# KiCad board motherboard.kicad_pcb
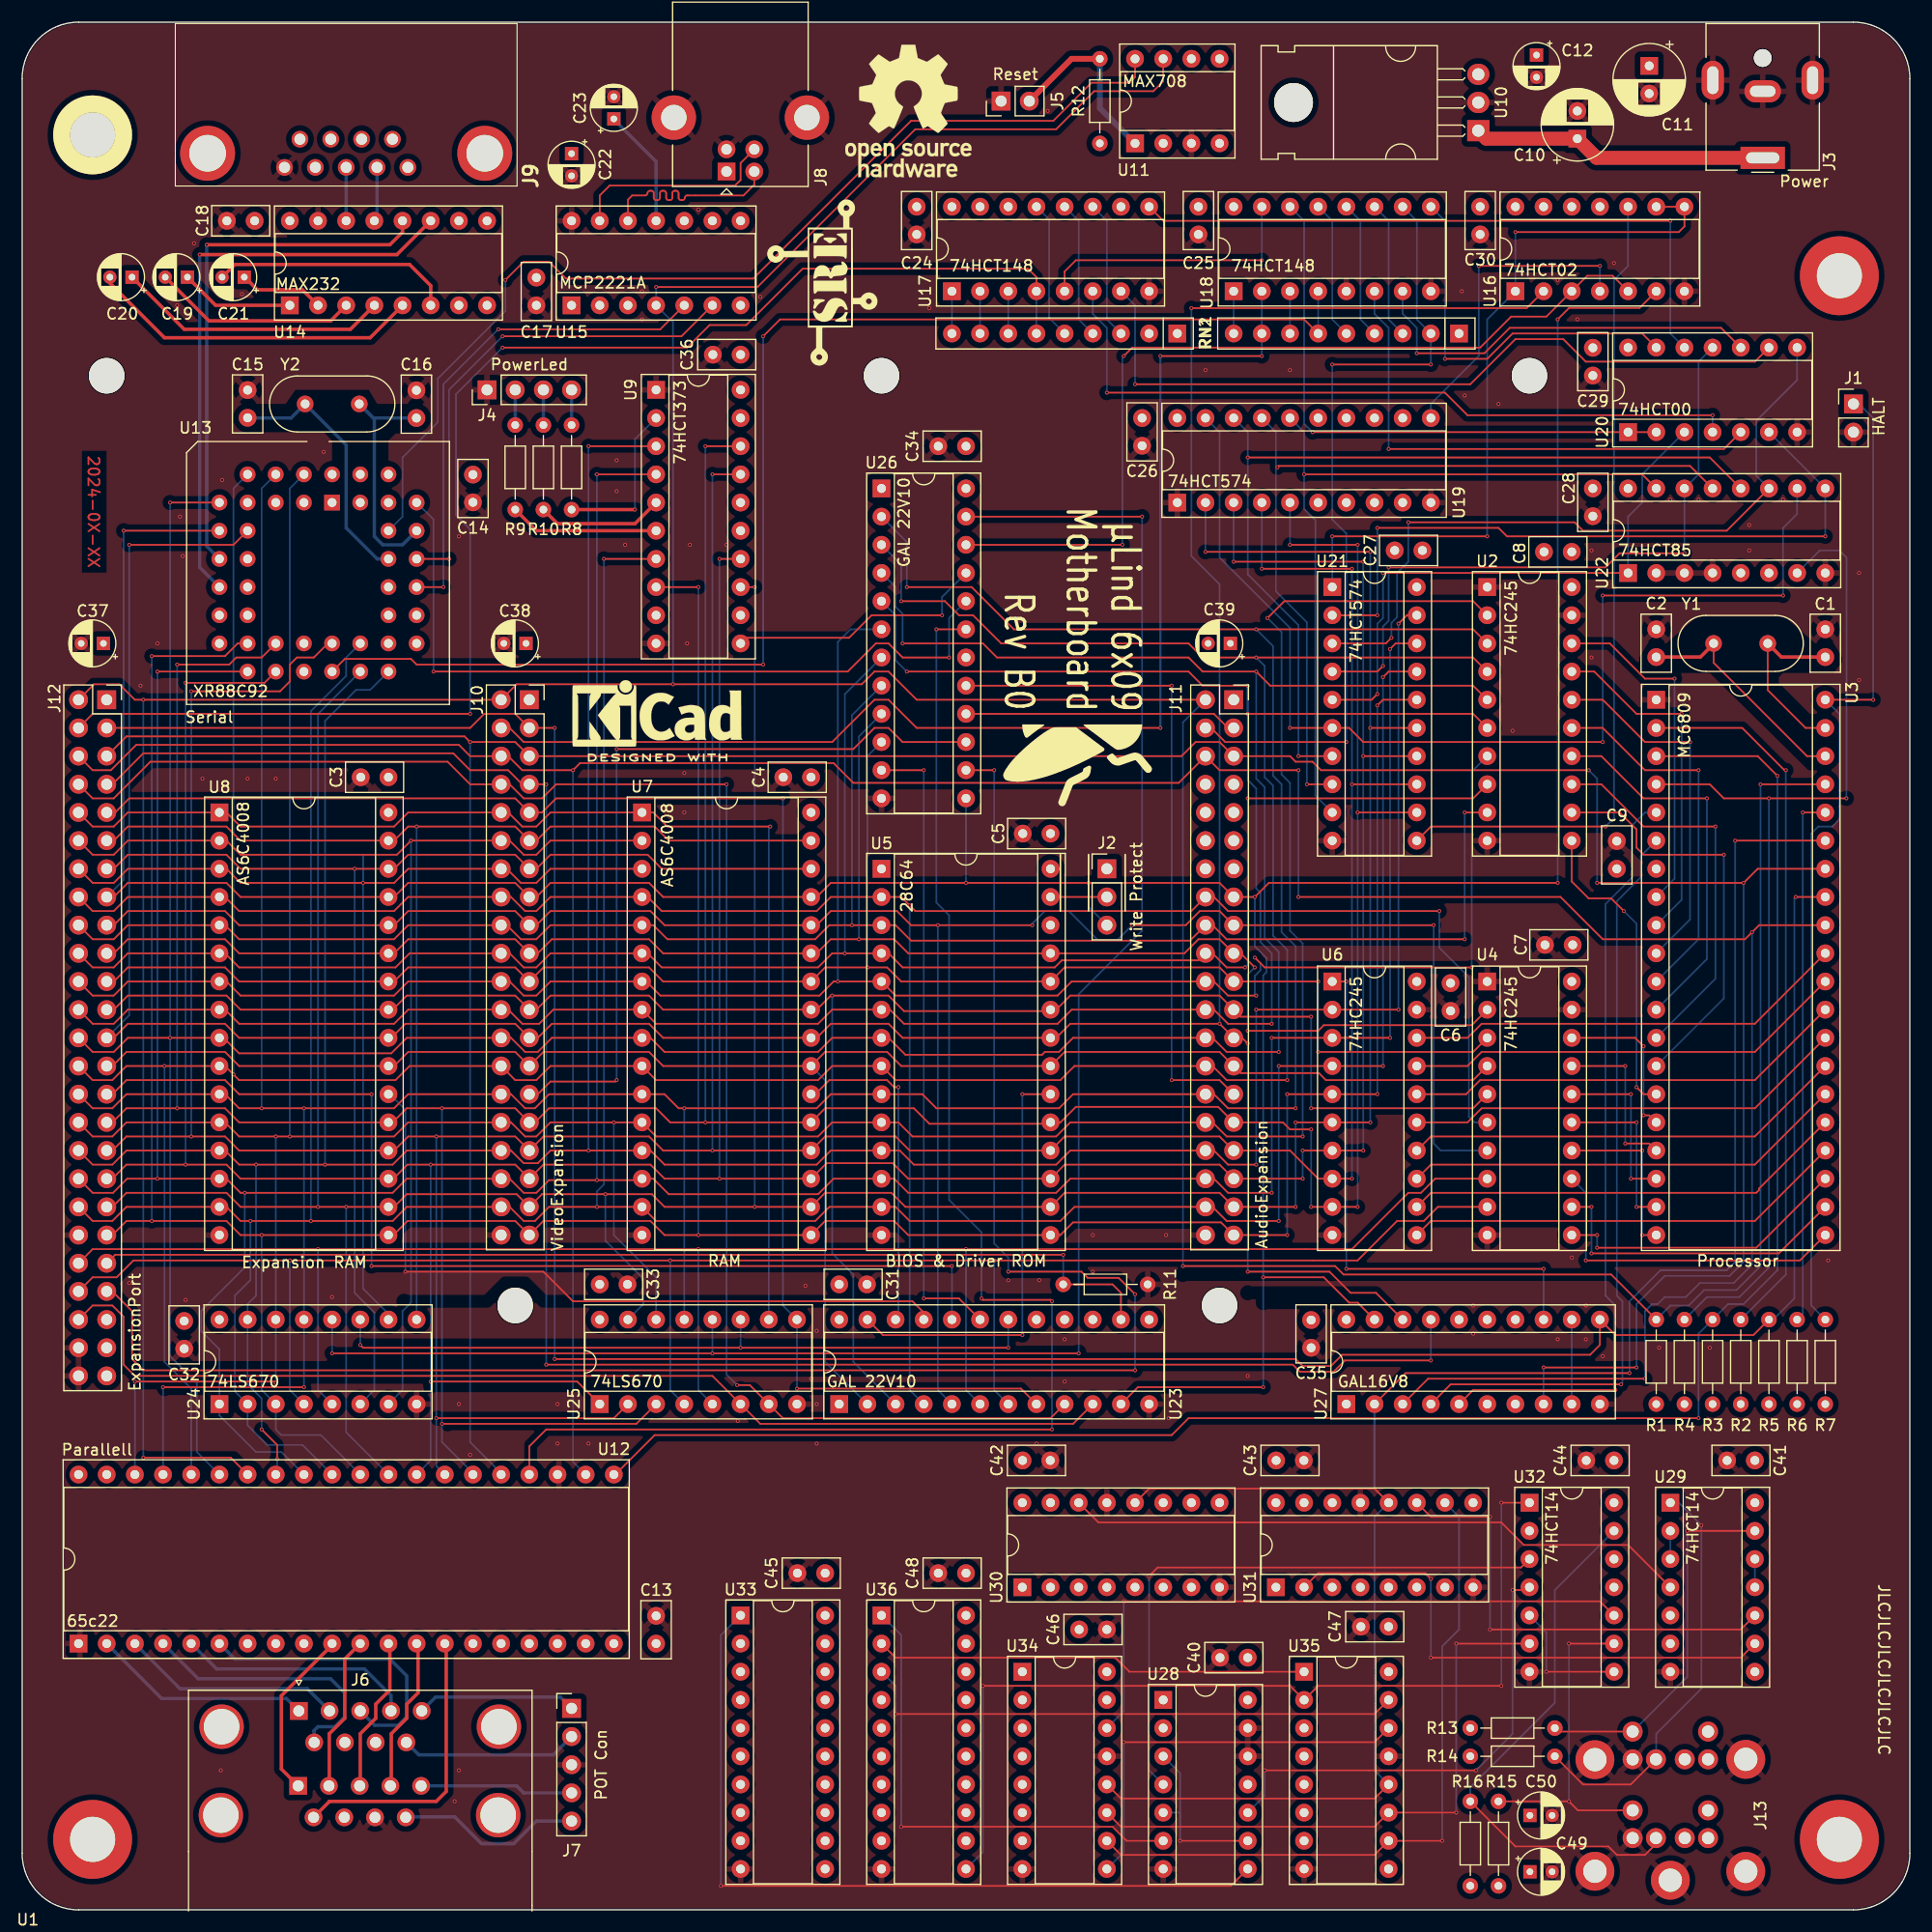
[diagram p0: board, top side]
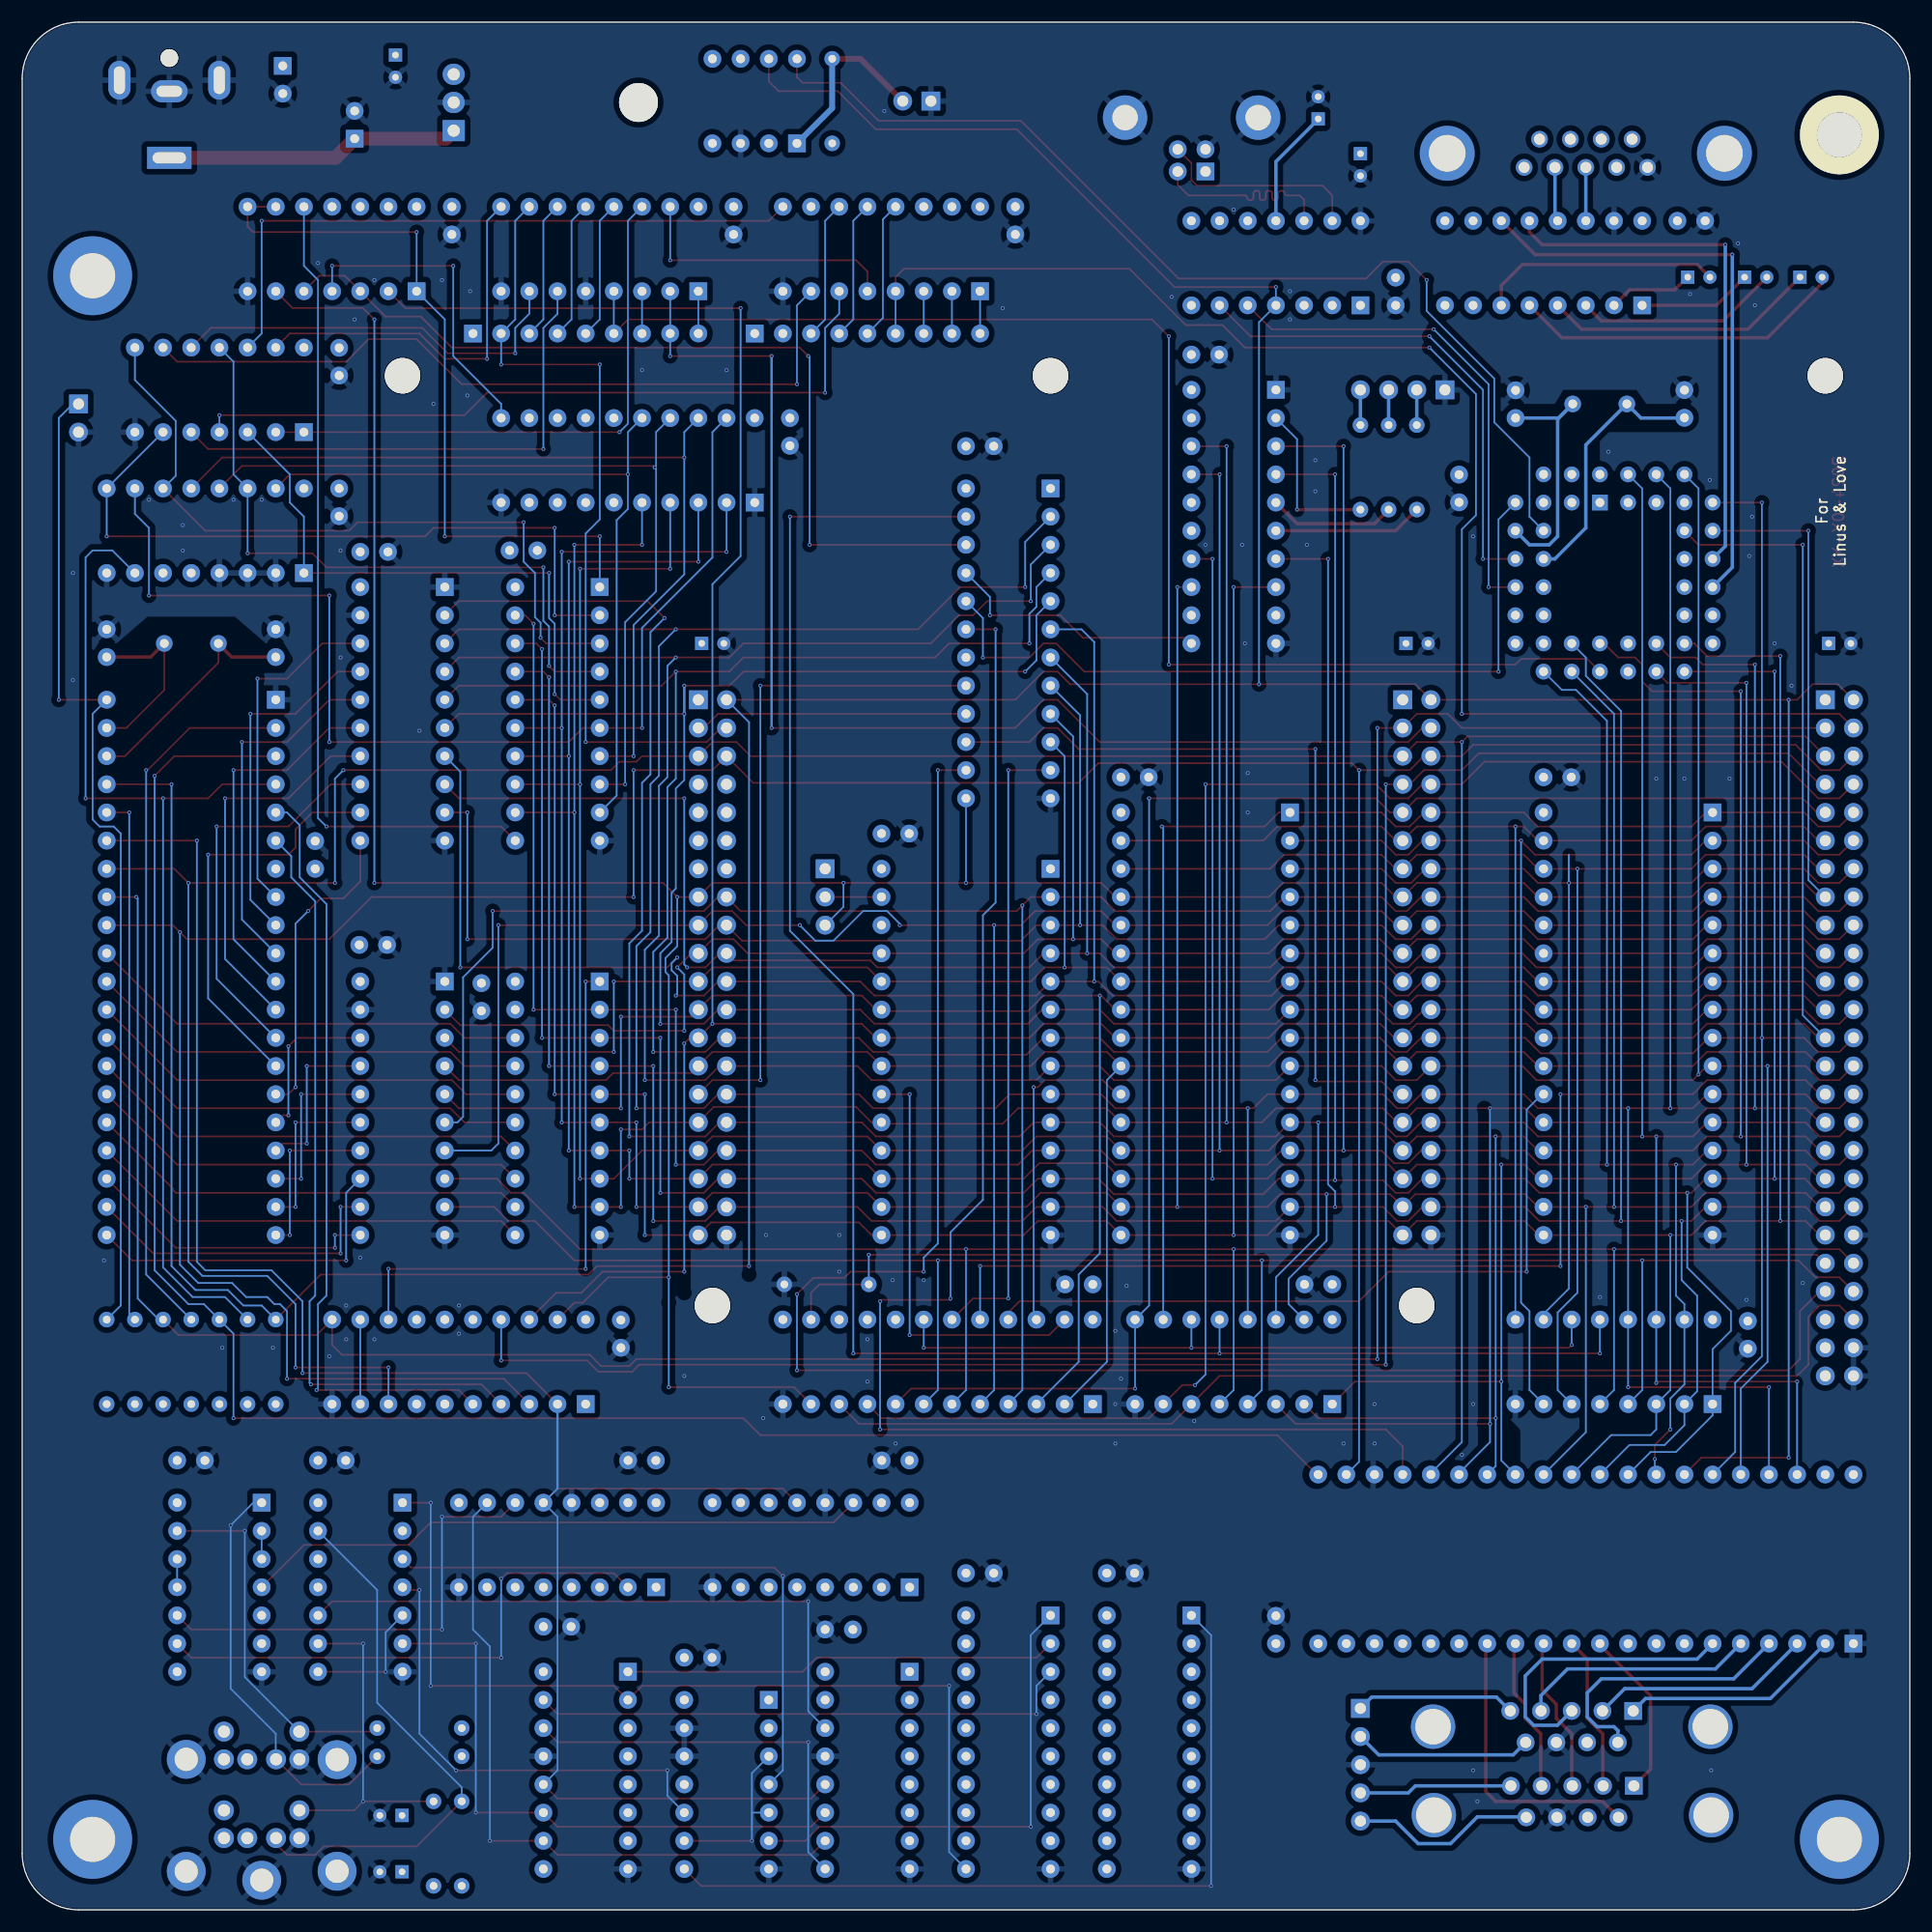
[diagram p1: board, bottom side, seen from below]

Outline 170.18 x 170.18 mm; copper layers: Top, In1.Cu (plane), In2.Cu (plane), Bottom. Coordinates in mm from the lower left corner of the outline.
Stack: Top 0.035mm / dielectric 0.1mm FR4 er 4.5 / In1.Cu 0.035mm / dielectric 1.24mm FR4 er 4.5 / In2.Cu 0.035mm / dielectric 0.1mm FR4 er 4.5 / Bottom 0.035mm

## Placement (name value [footprint] x y rotation side)
C1  22pF  [C_Disc_D5.0mm_W2.5mm_P2.50mm]  162.56 112.94 90 top
C2  22pF  [C_Disc_D5.0mm_W2.5mm_P2.50mm]  147.32 112.94 90 top
C3  100n  [C_Disc_D5.0mm_W2.5mm_P2.50mm]  33.02 102.11 180 top
C4  100n  [C_Disc_D5.0mm_W2.5mm_P2.50mm]  71.12 102.11 180 top
C5  100n  [C_Disc_D5.0mm_W2.5mm_P2.50mm]  92.71 97.03 180 top
C6  100n  [C_Disc_D5.0mm_W2.5mm_P2.50mm]  128.78 83.55 270 top
C7  100n  [C_Disc_D5.0mm_W2.5mm_P2.50mm]  139.79 87 180 top
C8  100n  [C_Disc_D5.0mm_W2.5mm_P2.50mm]  139.7 122.43 180 top
C9  100n  [C_Disc_D5.0mm_W2.5mm_P2.50mm]  143.76 93.85 90 top
C10  33µF  [CP_Radial_D6.3mm_P2.50mm]  140.21 159.68 90 top
C11  100µF  [CP_Radial_D6.3mm_P2.50mm]  146.69 166.24 270 top
C12  10µF  [CP_Radial_D4.0mm_P2.00mm]  136.53 167.22 270 top
C13  100n  [C_Disc_D5.0mm_W2.5mm_P2.50mm]  57.15 24 90 top
C14  100n  [C_Disc_D5.0mm_W2.5mm_P2.50mm]  40.64 129.39 270 top
C15  43pF  [C_Disc_D5.0mm_W2.5mm_P2.50mm]  20.32 134.51 90 top
C16  43pF  [C_Disc_D5.0mm_W2.5mm_P2.50mm]  35.54 134.49 90 top
C17  100n  [C_Disc_D5.0mm_W2.5mm_P2.50mm]  46.35 147.15 270 top
C18  100n  [C_Disc_D5.0mm_W2.5mm_P2.50mm]  20.96 152.27 180 top
C19  1u  [CP_Radial_D4.0mm_P2.00mm]  14.9 147.19 180 top
C20  1u  [CP_Radial_D4.0mm_P2.00mm]  9.91 147.19 180 top
C21  1u  [CP_Radial_D4.0mm_P2.00mm]  20.02 147.19 180 top
C22  1u  [CP_Radial_D4.0mm_P2.00mm]  49.53 158.33 270 top
C23  1u  [CP_Radial_D4.0mm_P2.00mm]  53.34 161.46 90 top
C24  100n  [C_Disc_D5.0mm_W2.5mm_P2.50mm]  80.64 153.54 270 top
C25  100n  [C_Disc_D5.0mm_W2.5mm_P2.50mm]  106.05 153.54 270 top
C26  100n  [C_Disc_D5.0mm_W2.5mm_P2.50mm]  100.96 134.49 270 top
C27  100n  [C_Disc_D5.0mm_W2.5mm_P2.50mm]  126.24 122.56 180 top
C28  100n  [C_Disc_D5.0mm_W2.5mm_P2.50mm]  141.61 128.14 270 top
C29  100n  [C_Disc_D5.0mm_W2.5mm_P2.50mm]  141.61 140.82 270 top
C30  100n  [C_Disc_D5.0mm_W2.5mm_P2.50mm]  131.45 153.54 270 top
C31  100n  [C_Disc_D5.0mm_W2.5mm_P2.50mm]  73.66 56.39 0 top
C32  100n  [C_Disc_D5.0mm_W2.5mm_P2.50mm]  14.61 53.09 270 top
C33  100n  [C_Disc_D5.0mm_W2.5mm_P2.50mm]  52.07 56.39 0 top
C34  100n  [C_Disc_D5.0mm_W2.5mm_P2.50mm]  85.09 131.95 180 top
C35  100n  [C_Disc_D5.0mm_W2.5mm_P2.50mm]  116.2 53.17 270 top
C36  100n  [C_Disc_D5.0mm_W2.5mm_P2.50mm]  64.77 140.21 180 top
C37  10u  [CP_Radial_D4.0mm_P2.00mm]  7.32 114.17 180 top
C38  10u  [CP_Radial_D4.0mm_P2.00mm]  45.42 114.17 180 top
C39  10u  [CP_Radial_D4.0mm_P2.00mm]  108.92 114.17 180 top
C40  100n  [C_Disc_D5.0mm_W2.5mm_P2.50mm]  110.49 22.73 180 top
C41  100n  [C_Disc_D5.0mm_W2.5mm_P2.50mm]  156.21 40.51 180 top
C42  100n  [C_Disc_D5.0mm_W2.5mm_P2.50mm]  90.19 40.51 0 top
C43  100n  [C_Disc_D5.0mm_W2.5mm_P2.50mm]  113.05 40.51 0 top
C44  100n  [C_Disc_D5.0mm_W2.5mm_P2.50mm]  143.51 40.51 180 top
C45  100n  [C_Disc_D5.0mm_W2.5mm_P2.50mm]  72.39 30.35 180 top
C46  100n  [C_Disc_D5.0mm_W2.5mm_P2.50mm]  95.29 25.27 0 top
C47  100n  [C_Disc_D5.0mm_W2.5mm_P2.50mm]  123.19 25.53 180 top
C48  100n  [C_Disc_D5.0mm_W2.5mm_P2.50mm]  85.09 30.35 180 top
C49  10u  [CP_Radial_D4.0mm_P2.00mm]  135.93 3.43 0 top
C50  10u  [CP_Radial_D4.0mm_P2.00mm]  135.93 8.51 0 top
G1  LOGO  [sre]  72.14 146.69 90 top
G2  -  [OSHW-Logo_11.4x12mm_SilkScreen]  79.88 162.18 0 top
G3  -  [KiCad-Logo2_6mm_SilkScreen]  57.27 107.88 0 top
G***  LOGO  [fly_E_14mm]  95 103.25 270 top
H1  MountingHole  [MountingHole_3.2mm_M3_ISO7380]  7.62 138.3 0 top
H2  MountingHole  [MountingHole_3.2mm_M3_ISO7380]  107.95 54.48 0 top
H3  MountingHole  [MountingHole_3.2mm_M3_ISO7380]  44.45 54.48 0 top
H4  MountingHole  [MountingHole_3.2mm_M3_ISO7380]  77.47 138.3 0 top
H5  MountingHole  [MountingHole_3.2mm_M3_ISO7380]  135.89 138.3 0 top
J1  HALT  [PinHeader_1x02_P2.54mm_Vertical]  165.1 135.76 0 top
J2  Write Protect  [PinHeader_1x03_P2.54mm_Vertical]  97.79 93.85 0 top
J3  Power  [BarrelJack_CUI_PJ-063AH_Horizontal]  156.92 157.95 180 top
J4  PowerLed  [PinHeader_1x04_P2.54mm_Vertical]  41.91 137.03 90 top
J5  Reset  [PinHeader_1x02_P2.54mm_Vertical]  88.25 163.07 90 top
J6  ~  [DSUB-9-Double_NorComp]  24.94 17.93 0 top
J7  POT Con  [PinHeader_1x05_P2.54mm_Vertical]  49.53 18.16 0 top
J8  Console  [USB_B_Lumberg_2411_02_Horizontal]  63.5 156.72 90 top
J9  DE9_Plug  [23018431]  34.77 157.09 180 top
J10  VideoExpansion  [PinSocket_2x20_P2.54mm_Vertical]  45.72 109.09 0 top
J11  AudioExpansion  [PinSocket_2x20_P2.54mm_Vertical]  109.22 109.09 0 top
J12  ExpansionPort  [PinSocket_2x25_P2.54mm_Vertical]  7.62 109.09 0 top
J13  ~  [2xPS2-Mini-Din]  148.59 -2.03 0 top
R1  4k7  [R_Axial_DIN0204_L3.6mm_D1.6mm_P7.62mm_Horizontal]  147.32 53.21 270 top
R2  4k7  [R_Axial_DIN0204_L3.6mm_D1.6mm_P7.62mm_Horizontal]  154.94 53.21 270 top
R3  4k7  [R_Axial_DIN0204_L3.6mm_D1.6mm_P7.62mm_Horizontal]  152.4 53.21 270 top
R4  4k7  [R_Axial_DIN0204_L3.6mm_D1.6mm_P7.62mm_Horizontal]  149.86 53.21 270 top
R5  4k7  [R_Axial_DIN0204_L3.6mm_D1.6mm_P7.62mm_Horizontal]  157.48 53.21 270 top
R6  4k7  [R_Axial_DIN0204_L3.6mm_D1.6mm_P7.62mm_Horizontal]  160.02 53.21 270 top
R7  4k7  [R_Axial_DIN0204_L3.6mm_D1.6mm_P7.62mm_Horizontal]  162.56 53.21 270 top
R8  1k  [R_Axial_DIN0204_L3.6mm_D1.6mm_P7.62mm_Horizontal]  49.53 133.86 270 top
R9  1k  [R_Axial_DIN0204_L3.6mm_D1.6mm_P7.62mm_Horizontal]  44.45 133.86 270 top
R10  1k  [R_Axial_DIN0204_L3.6mm_D1.6mm_P7.62mm_Horizontal]  46.99 133.86 270 top
R11  4k7  [R_Axial_DIN0204_L3.6mm_D1.6mm_P7.62mm_Horizontal]  93.85 56.39 0 top
R12  4k7  [R_Axial_DIN0204_L3.6mm_D1.6mm_P7.62mm_Horizontal]  97.16 159.26 90 top
R13  10k  [R_Axial_DIN0204_L3.6mm_D1.6mm_P7.62mm_Horizontal]  130.56 16.38 0 top
R14  10k  [R_Axial_DIN0204_L3.6mm_D1.6mm_P7.62mm_Horizontal]  130.56 13.84 0 top
R15  10k  [R_Axial_DIN0204_L3.6mm_D1.6mm_P7.62mm_Horizontal]  133.1 2.16 90 top
R16  10k  [R_Axial_DIN0204_L3.6mm_D1.6mm_P7.62mm_Horizontal]  130.56 2.16 90 top
RN1  R_Network08  [R_Array_SIP9]  104.14 142.11 180 top
RN2  R_Network08  [R_Array_SIP9]  129.54 142.11 180 top
U1  ~  [mITX]  0 0 0 top
U2  74HC245  [DIP-20_W7.62mm_Socket]  132.08 119.25 0 top
U3  MC6809  [DIP-40_W15.24mm_Socket]  147.32 109.09 0 top
U4  74HC245  [DIP-20_W7.62mm_Socket]  132.08 83.69 0 top
U5  28C64  [DIP-28_W15.24mm_Socket]  77.47 93.85 0 top
U6  74HC245  [DIP-20_W7.62mm_Socket]  118.11 83.69 0 top
U7  AS6C4008  [DIP-32_W15.24mm_Socket]  55.88 98.93 0 top
U8  AS6C4008  [DIP-32_W15.24mm_Socket]  17.78 98.93 0 top
U9  74HCT373  [DIP-20_W7.62mm_Socket]  57.15 137.03 0 top
U10  BA05CCOT  [TO-220-3_Horizontal_TabDown]  131.28 160.4 90 top
U11  MAX708  [DIP-8_W7.62mm_Socket]  100.33 159.26 90 top
U12  65c22  [DIP-40_W15.24mm_Socket]  5.08 24 90 top
U13  XR88C92  [PLCC-44_THT-Socket]  27.94 126.87 0 top
U14  MAX232  [DIP-16_W7.62mm_Socket]  24.13 144.65 90 top
U15  MCP2221A  [DIP-14_W7.62mm_Socket]  49.53 144.65 90 top
U16  74HCT02  [DIP-14_W7.62mm_Socket]  134.62 145.92 90 top
U17  74HCT148  [DIP-16_W7.62mm_Socket]  83.82 145.92 90 top
U18  74HCT148  [DIP-16_W7.62mm_Socket]  109.22 145.92 90 top
U19  74HCT574  [DIP-20_W7.62mm_Socket]  104.14 126.87 90 top
U20  74HCT00  [DIP-14_W7.62mm_Socket]  144.78 133.22 90 top
U21  74HCT574  [DIP-20_W7.62mm_Socket]  118.11 119.25 0 top
U22  74HCT85  [DIP-16_W7.62mm_Socket]  144.78 120.52 90 top
U23  GAL 22V10  [DIP-24_W7.62mm_Socket]  73.66 45.59 90 top
U24  74LS670  [DIP-16_W7.62mm_Socket]  17.78 45.59 90 top
U25  74LS670  [DIP-16_W7.62mm_Socket]  52.07 45.59 90 top
U26  GAL 22V10  [DIP-24_W7.62mm_Socket]  77.47 128.14 0 top
U27  GAL16V8  [DIP-20_W7.62mm_Socket]  119.38 45.59 90 top
U28  74HCT32  [DIP-14_W7.62mm_Socket]  102.87 18.92 0 top
U29  74HCT14  [DIP-14_W7.62mm_Socket]  148.59 36.7 0 top
U30  74HCT595  [DIP-16_W7.62mm_Socket]  90.17 29.08 90 top
U31  74HCT595  [DIP-16_W7.62mm_Socket]  113.03 29.08 90 top
U32  74HCT14  [DIP-14_W7.62mm_Socket]  135.89 36.7 0 top
U33  74HCT573  [DIP-20_W7.62mm_Socket]  64.77 26.54 0 top
U34  74HCT595  [DIP-16_W7.62mm_Socket]  90.17 21.46 0 top
U35  74HCT595  [DIP-16_W7.62mm_Socket]  115.57 21.46 0 top
U36  74HCT573  [DIP-20_W7.62mm_Socket]  77.47 26.54 0 top
Y1  12MHz  [Crystal_HC49-U_Vertical]  152.49 114.17 0 top
Y2  3.3864  [Crystal_HC49-U_Vertical]  30.39 135.76 180 top

## Library data of the parts
C1-C9 C13-C18 C24-C36 C40-C48 = -: ki_fp_filters: C_*
C10-C12 = -: Description: Polarized capacitor; ki_fp_filters: CP_*
C19-C23 C37-C39 C49 C50 = -: ki_fp_filters: CP_*
H1-H5 = -: ki_fp_filters: MountingHole*
J1 = -: Description: Generic connector, single row, 01x02, script generated (kicad-library-utils/schlib/autogen/connector/); ki_fp_filters: Connector*:*_1x??_*
J2 = -: Description: Generic connector, single row, 01x03, script generated (kicad-library-utils/schlib/autogen/connector/); ki_fp_filters: Connector*:*_1x??_*
J3 = -: Description: DC Barrel Jack with a mounting pin; ki_fp_filters: BarrelJack*
J4 = -: Description: RGB LED, cathode/red/green/blue; ki_fp_filters: LED* LED_SMD:* LED_THT:*
J5 = -: Description: Push button switch, generic, two pins
J7 = -: Description: Generic connector, single row, 01x05, script generated; ki_fp_filters: Connector*:*_1x??_*
J8 = -: ki_fp_filters: USB*
J9 = -: Description: 9-pin male plug pin D-SUB connector; ki_fp_filters: DSUB*Male*
J10 J11 = -: ki_fp_filters: Connector*:*_2x??_*
J12 = -: Description: Generic connector, double row, 02x25, odd/even pin numbering scheme (row 1 odd numbers, row 2 even numbers), script generated (kicad-library-utils/schlib/autogen/connector/); ki_fp_filters: Connector*:*_2x??_*
R1-R12 = -: Description: Resistor; ki_fp_filters: R_*
R13-R16 = -: ki_fp_filters: R_*
RN1 RN2 = -: Datasheet: http://www.vishay.com/docs/31509/csc.pdf; Description: 8 resistor network, star topology, bussed resistors, small symbol; ki_fp_filters: R?Array?SIP*
U2 U4 U6 = -: Datasheet: http://www.ti.com/lit/gpn/sn74HC245; Description: Octal BUS Transceivers, 3-State outputs; ki_fp_filters: DIP?20*
U3 = -: Datasheet: http://pdf.datasheetcatalog.com/datasheet/motorola/MC68B09S.pdf; ki_fp_filters: DIP*W15.24mm*
U5 = -: Datasheet: http://ww1.microchip.com/downloads/en/DeviceDoc/11107M.pdf; ki_fp_filters: DIP*W15.24mm*
U7 U8 = -: Datasheet: https://www.alliancememory.com/wp-content/uploads/pdf/AS6C4008.pdf; ki_fp_filters: DIP*W15.24mm*
U9 = -: Datasheet: http://www.ti.com/lit/gpn/sn74LS373; Description: 8-bit Latch, 3-state outputs; ki_fp_filters: DIP?20* SOIC?20* SO?20* SSOP?20* TSSOP?20*
U12 = -: Datasheet: http://www.6502.org/documents/datasheets/mos/mos_6522_preliminary_nov_1977.pdf; ki_fp_filters: DIP*W15.24mm*
U14 = -: Datasheet: http://www.ti.com/lit/ds/symlink/max232.pdf; ki_fp_filters: SOIC*P1.27mm* DIP*W7.62mm* TSSOP*4.4x5mm*P0.65mm*
U15 = -: Datasheet: http://ww1.microchip.com/downloads/en/DeviceDoc/20005565B.pdf; ki_fp_filters: DIP*W7.62mm*
U16 = -: Datasheet: http://www.ti.com/lit/gpn/sn74hct02; ki_fp_filters: SO14* DIP*W7.62mm*
U17 U18 = -: Datasheet: http://www.ti.com/lit/gpn/sn74LS148; ki_fp_filters: DIP?16*
U19 U21 = -: Datasheet: http://www.ti.com/lit/gpn/sn74LS574; ki_fp_filters: DIP?20*
U20 = -: Datasheet: http://www.ti.com/lit/gpn/sn74ls00; ki_fp_filters: DIP*W7.62mm* SO14*
U22 = -: Datasheet: http://www.ti.com/lit/gpn/sn74LS85; ki_fp_filters: DIP?16*
U24 U25 = -: Datasheet: http://www.ti.com/lit/gpn/sn74LS670; Description: 4 x 4 Register Files 3-State Outputs; ki_fp_filters: DIP?16*
U27 = -: ki_fp_filters: DIP* PDIP* SOIC* SO* PLCC*
U28 = -: Datasheet: http://www.ti.com/lit/gpn/sn74LS32; ki_fp_filters: DIP?14*
U29 U32 = -: Datasheet: http://www.ti.com/lit/gpn/sn74HC14; ki_fp_filters: DIP*W7.62mm*
U30 U31 U34 U35 = -: Datasheet: http://www.ti.com/lit/ds/symlink/sn74hc595.pdf; ki_fp_filters: DIP*W7.62mm* SOIC*3.9x9.9mm*P1.27mm* TSSOP*4.4x5mm*P0.65mm* SOIC*5.3x10.2mm*P1.27mm* SOIC*7.5x10.3mm*P1.27mm*
U33 U36 = -: Datasheet: 74xx/74hc573.pdf; ki_fp_filters: DIP?20*
Y1 Y2 = -: Description: Two pin crystal; ki_fp_filters: Crystal*

## Footprints (pads in the part's own frame, mm; a bottom-side part is the same pattern mirrored in y, then rotated)
2xPS2-Mini-Din
  round 1.8 hole 1.1: 1(-1.3,15.6) 2(1.3,15.6) 3(-3.4,15.6) 4(3.4,15.6) 5(-3.4,18.1) 6(3.4,18.1) 7(-1.3,8.5) 8(1.3,8.5) 9(-3.4,8.5) 10(3.4,8.5) 11(-3.4,11) 12(3.4,11)
  round 3.5 hole 2.1: G(-6.8,15.57) G(-6.8,5.51) G(0,4.7) G(6.8,15.6) G(6.8,5.5)
23018431
  round 1.5 hole 1: 1(0,0) 2(2.78,0) 3(5.56,0) 4(8.34,0) 5(11.12,0) 6(1.39,-2.54) 7(4.17,-2.54) 8(6.95,-2.54) 9(9.73,-2.54)
  round 4.95 hole 3.3: MH1(-6.935,-1.27) MH2(18.055,-1.27)
BarrelJack_CUI_PJ-063AH_Horizontal
  round 1.6 hole 1.6 unplated: (0,-9)
  rect 4x2 hole 3x1: 1(0,0)
  oval 3.3x2 hole 2.3x1: 2(0,-6)
  oval 2x3.5 hole 1x2.5: MP(-4.5,-7) MP(4.5,-7)
C_Disc_D5.0mm_W2.5mm_P2.50mm
  round 1.6 hole 0.8: 1(0,0) 2(2.5,0)
CP_Radial_D4.0mm_P2.00mm
  rect 1.2x1.2 hole 0.6: 1(0,0)
  round 1.2 hole 0.6: 2(2,0)
CP_Radial_D6.3mm_P2.50mm
  rect 1.6x1.6 hole 0.8: 1(0,0)
  round 1.6 hole 0.8: 2(2.5,0)
Crystal_HC49-U_Vertical
  round 1.5 hole 0.8: 1(0,0) 2(4.88,0)
DIP-8_W7.62mm_Socket
  rect 1.6x1.6 hole 0.8: 1(0,0)
  oval 1.6x1.6 hole 0.8: 2(0,-2.54) 3(0,-5.08) 4(0,-7.62) 5(7.62,-7.62) 6(7.62,-5.08) 7(7.62,-2.54) 8(7.62,0)
DIP-14_W7.62mm_Socket
  rect 1.6x1.6 hole 0.8: 1(0,0)
  oval 1.6x1.6 hole 0.8: 2(0,-2.54) 3(0,-5.08) 4(0,-7.62) 5(0,-10.16) 6(0,-12.7) 7(0,-15.24) 8(7.62,-15.24) 9(7.62,-12.7) 10(7.62,-10.16) 11(7.62,-7.62) 12(7.62,-5.08) 13(7.62,-2.54) 14(7.62,0)
DIP-16_W7.62mm_Socket
  rect 1.6x1.6 hole 0.8: 1(0,0)
  oval 1.6x1.6 hole 0.8: 2(0,-2.54) 3(0,-5.08) 4(0,-7.62) 5(0,-10.16) 6(0,-12.7) 7(0,-15.24) 8(0,-17.78) 9(7.62,-17.78) 10(7.62,-15.24) 11(7.62,-12.7) 12(7.62,-10.16) 13(7.62,-7.62) 14(7.62,-5.08) 15(7.62,-2.54) 16(7.62,0)
DIP-20_W7.62mm_Socket
  rect 1.6x1.6 hole 0.8: 1(0,0)
  oval 1.6x1.6 hole 0.8: 2(0,-2.54) 3(0,-5.08) 4(0,-7.62) 5(0,-10.16) 6(0,-12.7) 7(0,-15.24) 8(0,-17.78) 9(0,-20.32) 10(0,-22.86) 11(7.62,-22.86) 12(7.62,-20.32) 13(7.62,-17.78) 14(7.62,-15.24) 15(7.62,-12.7) 16(7.62,-10.16) 17(7.62,-7.62) 18(7.62,-5.08) 19(7.62,-2.54) 20(7.62,0)
DIP-24_W7.62mm_Socket
  rect 1.6x1.6 hole 0.8: 1(0,0)
  oval 1.6x1.6 hole 0.8: 2(0,-2.54) 3(0,-5.08) 4(0,-7.62) 5(0,-10.16) 6(0,-12.7) 7(0,-15.24) 8(0,-17.78) 9(0,-20.32) 10(0,-22.86) 11(0,-25.4) 12(0,-27.94) 13(7.62,-27.94) 14(7.62,-25.4) 15(7.62,-22.86) 16(7.62,-20.32) 17(7.62,-17.78) 18(7.62,-15.24) 19(7.62,-12.7) 20(7.62,-10.16) 21(7.62,-7.62) 22(7.62,-5.08) 23(7.62,-2.54) 24(7.62,0)
DIP-28_W15.24mm_Socket
  rect 1.6x1.6 hole 0.8: 1(0,0)
  oval 1.6x1.6 hole 0.8: 2(0,-2.54) 3(0,-5.08) 4(0,-7.62) 5(0,-10.16) 6(0,-12.7) 7(0,-15.24) 8(0,-17.78) 9(0,-20.32) 10(0,-22.86) 11(0,-25.4) 12(0,-27.94) 13(0,-30.48) 14(0,-33.02) 15(15.24,-33.02) 16(15.24,-30.48) 17(15.24,-27.94) 18(15.24,-25.4) 19(15.24,-22.86) 20(15.24,-20.32) 21(15.24,-17.78) 22(15.24,-15.24) 23(15.24,-12.7) 24(15.24,-10.16) 25(15.24,-7.62) 26(15.24,-5.08) 27(15.24,-2.54) 28(15.24,0)
DIP-32_W15.24mm_Socket
  rect 1.6x1.6 hole 0.8: 1(0,0)
  oval 1.6x1.6 hole 0.8: 2(0,-2.54) 3(0,-5.08) 4(0,-7.62) 5(0,-10.16) 6(0,-12.7) 7(0,-15.24) 8(0,-17.78) 9(0,-20.32) 10(0,-22.86) 11(0,-25.4) 12(0,-27.94) 13(0,-30.48) 14(0,-33.02) 15(0,-35.56) 16(0,-38.1) 17(15.24,-38.1) 18(15.24,-35.56) 19(15.24,-33.02) 20(15.24,-30.48) 21(15.24,-27.94) 22(15.24,-25.4) 23(15.24,-22.86) 24(15.24,-20.32) 25(15.24,-17.78) 26(15.24,-15.24) 27(15.24,-12.7) 28(15.24,-10.16) 29(15.24,-7.62) 30(15.24,-5.08) 31(15.24,-2.54) 32(15.24,0)
DIP-40_W15.24mm_Socket
  rect 1.6x1.6 hole 0.8: 1(0,0)
  oval 1.6x1.6 hole 0.8: 2(0,-2.54) 3(0,-5.08) 4(0,-7.62) 5(0,-10.16) 6(0,-12.7) 7(0,-15.24) 8(0,-17.78) 9(0,-20.32) 10(0,-22.86) 11(0,-25.4) 12(0,-27.94) 13(0,-30.48) 14(0,-33.02) 15(0,-35.56) 16(0,-38.1) 17(0,-40.64) 18(0,-43.18) 19(0,-45.72) 20(0,-48.26) 21(15.24,-48.26) 22(15.24,-45.72) 23(15.24,-43.18) 24(15.24,-40.64) 25(15.24,-38.1) 26(15.24,-35.56) 27(15.24,-33.02) 28(15.24,-30.48) 29(15.24,-27.94) 30(15.24,-25.4) 31(15.24,-22.86) 32(15.24,-20.32) 33(15.24,-17.78) 34(15.24,-15.24) 35(15.24,-12.7) 36(15.24,-10.16) 37(15.24,-7.62) 38(15.24,-5.08) 39(15.24,-2.54) 40(15.24,0)
DSUB-9-Double_NorComp
  round 4 hole 3.2: 0(-7.027,-9.398) 0(-6.96,-1.42) 0(17.973,-9.398) 0(18.04,-1.42)
  rect 1.6x1.6 hole 1: 1(0,0) 11(-0.056,-6.756)
  round 1.6 hole 1: 2(2.77,0) 3(5.54,0) 4(8.31,0) 5(11.08,0) 6(1.385,-2.84) 7(4.155,-2.84) 8(6.925,-2.84) 9(9.695,-2.84) 12(2.714,-6.756) 13(5.484,-6.756) 14(8.254,-6.756) 15(11.024,-6.756) 16(1.329,-9.596) 17(4.099,-9.596) 18(6.869,-9.596) 19(9.639,-9.596)
mITX
  round 7.112 hole 4.064 unplated: (6.35,160.02) (6.35,6.35) (163.83,147.32) (163.83,6.35)
MountingHole_3.2mm_M3_ISO7380
  round 3.2 hole 3.2 unplated: (0,0)
PinHeader_1x02_P2.54mm_Vertical
  rect 1.7x1.7 hole 1: 1(0,0)
  oval 1.7x1.7 hole 1: 2(0,-2.54)
PinHeader_1x03_P2.54mm_Vertical
  rect 1.7x1.7 hole 1: 1(0,0)
  oval 1.7x1.7 hole 1: 2(0,-2.54) 3(0,-5.08)
PinHeader_1x04_P2.54mm_Vertical
  rect 1.7x1.7 hole 1: 1(0,0)
  oval 1.7x1.7 hole 1: 2(0,-2.54) 3(0,-5.08) 4(0,-7.62)
PinHeader_1x05_P2.54mm_Vertical
  rect 1.7x1.7 hole 1: 1(0,0)
  oval 1.7x1.7 hole 1: 2(0,-2.54) 3(0,-5.08) 4(0,-7.62) 5(0,-10.16)
PinSocket_2x20_P2.54mm_Vertical
  rect 1.7x1.7 hole 1: 1(0,0)
  oval 1.7x1.7 hole 1: 2(-2.54,0) 3(0,-2.54) 4(-2.54,-2.54) 5(0,-5.08) 6(-2.54,-5.08) 7(0,-7.62) 8(-2.54,-7.62) 9(0,-10.16) 10(-2.54,-10.16) 11(0,-12.7) 12(-2.54,-12.7) 13(0,-15.24) 14(-2.54,-15.24) 15(0,-17.78) 16(-2.54,-17.78) 17(0,-20.32) 18(-2.54,-20.32) 19(0,-22.86) 20(-2.54,-22.86) 21(0,-25.4) 22(-2.54,-25.4) 23(0,-27.94) 24(-2.54,-27.94) 25(0,-30.48) 26(-2.54,-30.48) 27(0,-33.02) 28(-2.54,-33.02) 29(0,-35.56) 30(-2.54,-35.56) 31(0,-38.1) 32(-2.54,-38.1) 33(0,-40.64) 34(-2.54,-40.64) 35(0,-43.18) 36(-2.54,-43.18) 37(0,-45.72) 38(-2.54,-45.72) 39(0,-48.26) 40(-2.54,-48.26)
PinSocket_2x25_P2.54mm_Vertical
  rect 1.7x1.7 hole 1: 1(0,0)
  oval 1.7x1.7 hole 1: 2(-2.54,0) 3(0,-2.54) 4(-2.54,-2.54) 5(0,-5.08) 6(-2.54,-5.08) 7(0,-7.62) 8(-2.54,-7.62) 9(0,-10.16) 10(-2.54,-10.16) 11(0,-12.7) 12(-2.54,-12.7) 13(0,-15.24) 14(-2.54,-15.24) 15(0,-17.78) 16(-2.54,-17.78) 17(0,-20.32) 18(-2.54,-20.32) 19(0,-22.86) 20(-2.54,-22.86) 21(0,-25.4) 22(-2.54,-25.4) 23(0,-27.94) 24(-2.54,-27.94) 25(0,-30.48) 26(-2.54,-30.48) 27(0,-33.02) 28(-2.54,-33.02) 29(0,-35.56) 30(-2.54,-35.56) 31(0,-38.1) 32(-2.54,-38.1) 33(0,-40.64) 34(-2.54,-40.64) 35(0,-43.18) 36(-2.54,-43.18) 37(0,-45.72) 38(-2.54,-45.72) 39(0,-48.26) 40(-2.54,-48.26) 41(0,-50.8) 42(-2.54,-50.8) 43(0,-53.34) 44(-2.54,-53.34) 45(0,-55.88) 46(-2.54,-55.88) 47(0,-58.42) 48(-2.54,-58.42) 49(0,-60.96) 50(-2.54,-60.96)